# Altium PCB SVEC.pcbdoc (part 1 of 18) (continued)
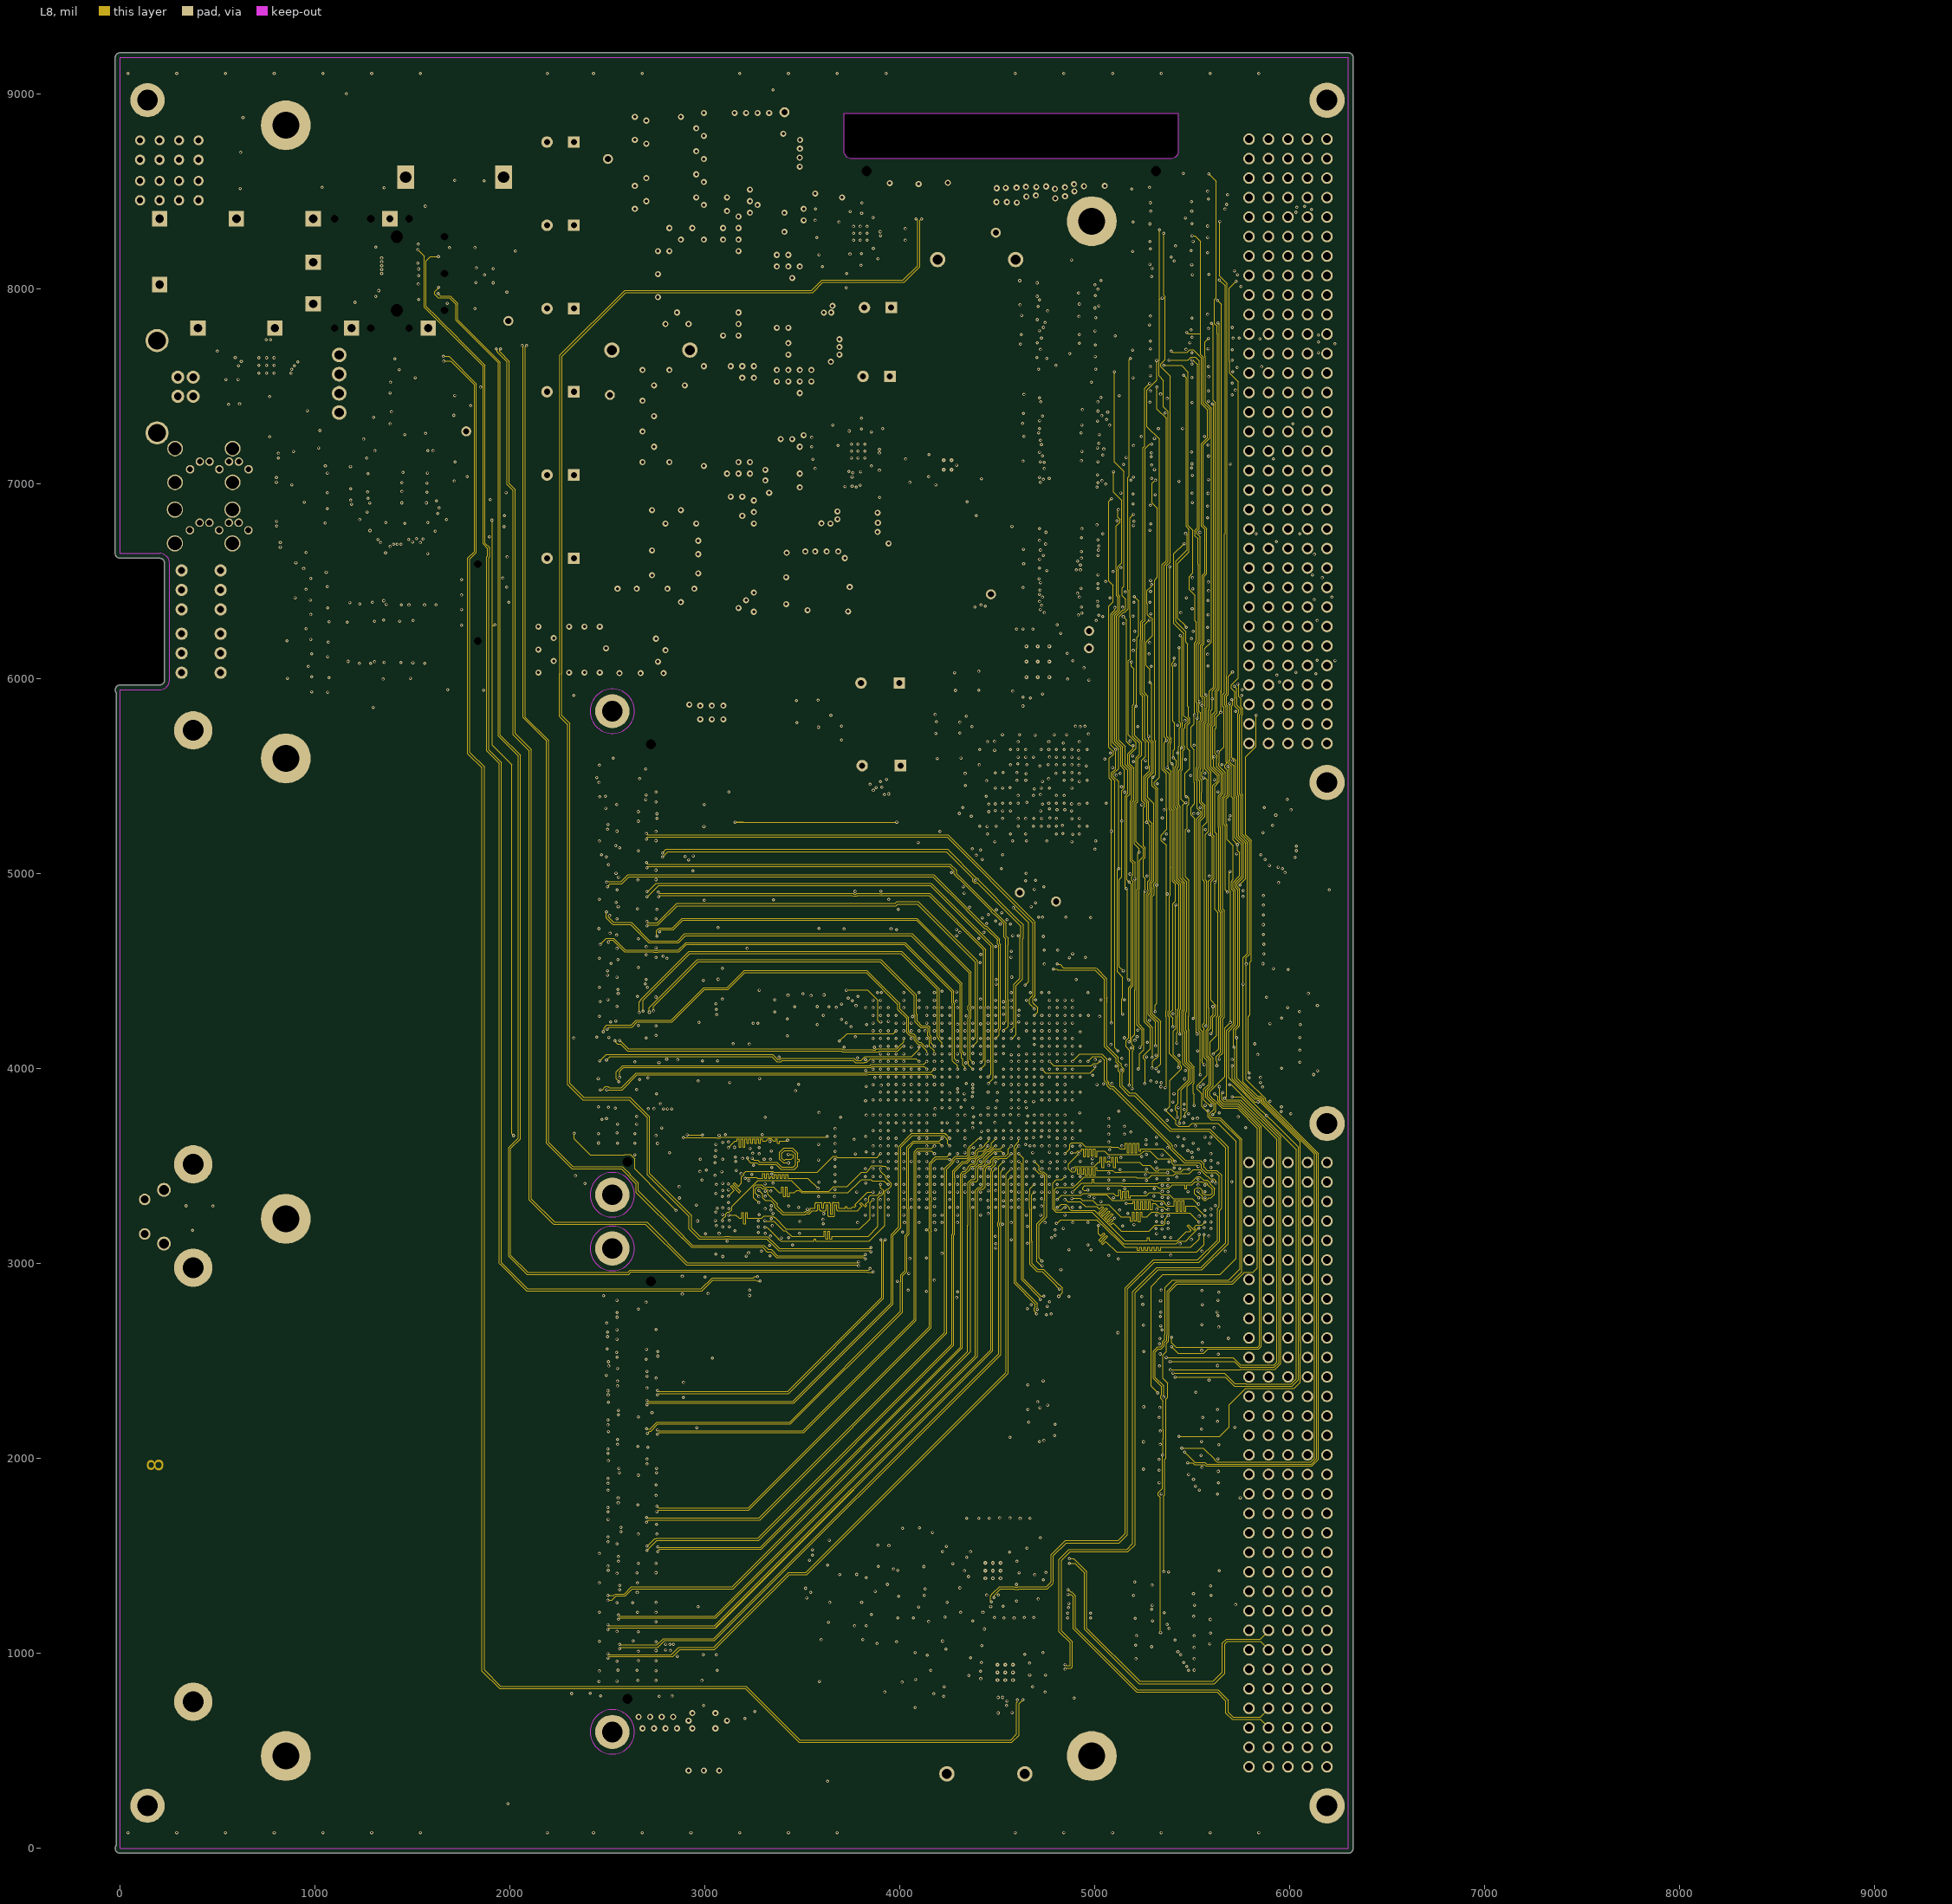
[diagram p8: L8]
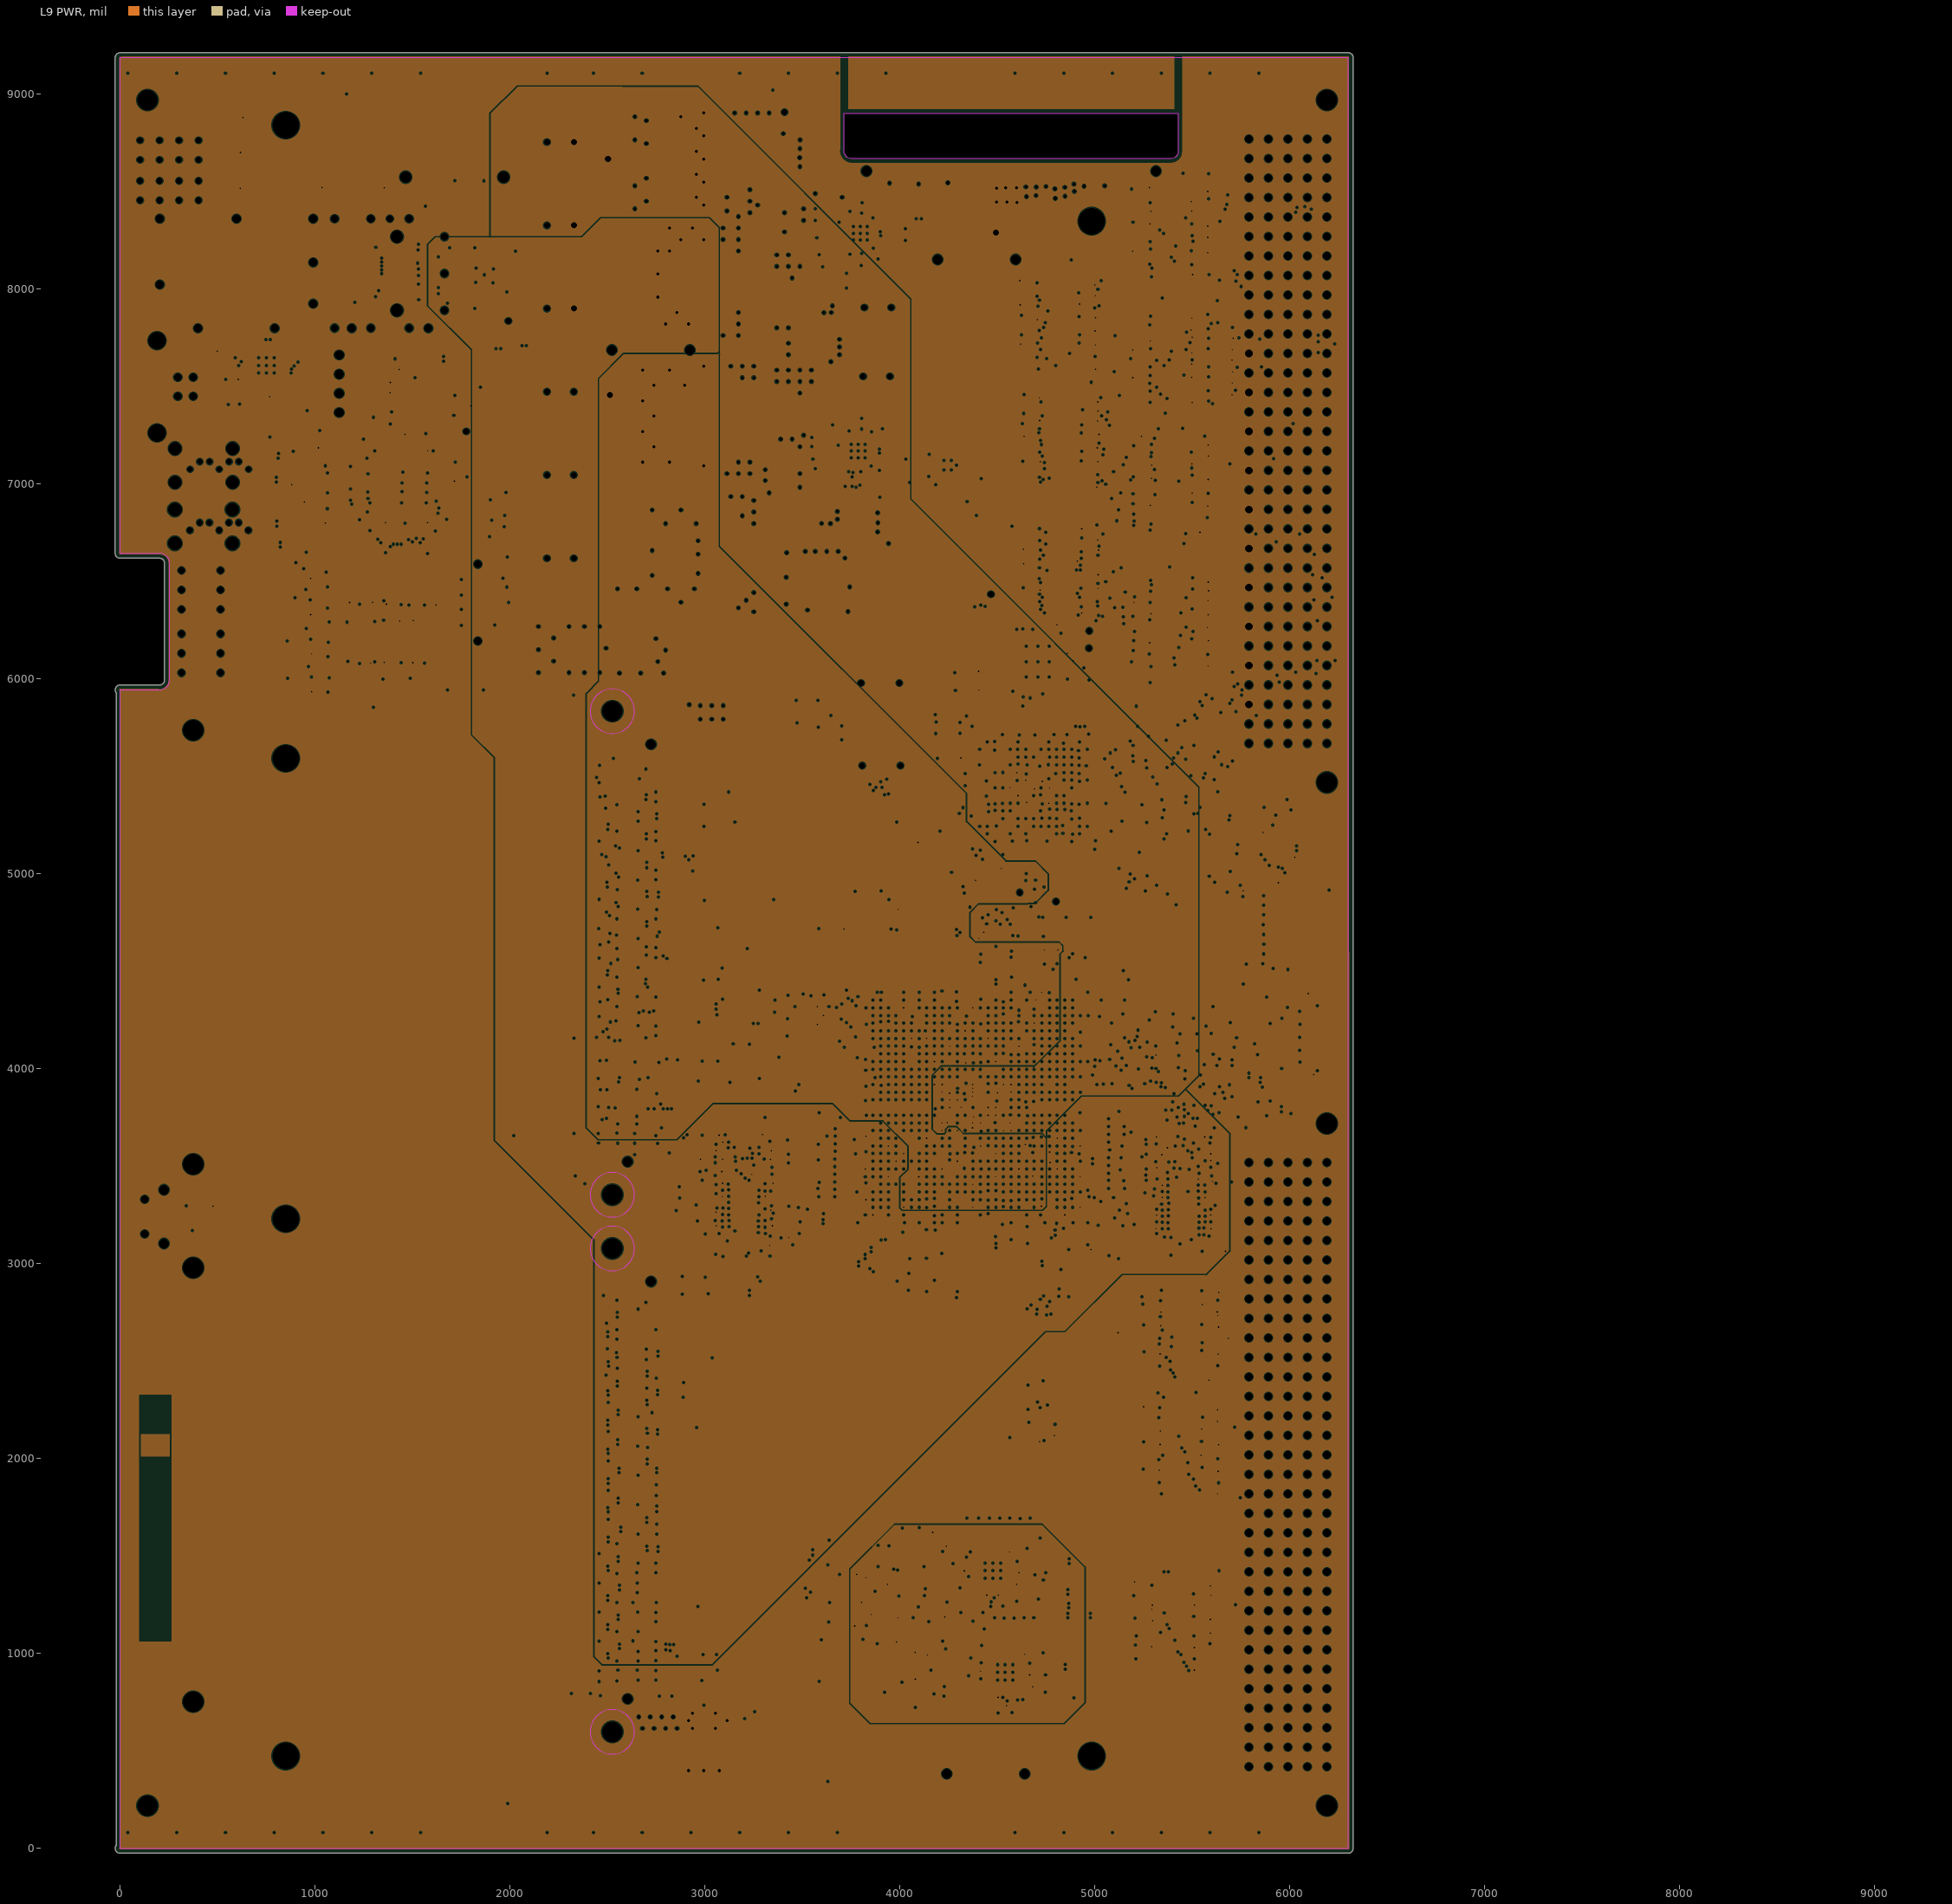
[diagram p9: L9 PWR, clearances drawn from the general rule]

## Layer stack, top to bottom
Top Layer: signal copper 0.7087
Dielectric: core 3.937, FR-4, Dk 4.6
L2 GND: plane copper 0.7087, net GND
Dielectric: prepreg 5.9055, FR-4, Dk 4.8
L3: signal copper 0.7087
Dielectric: core 5.9055, FR-4, Dk 4.8
L4 PWR3.3: plane copper 0.7087, net (Multiple Nets)
Dielectric: prepreg 3.937, FR-4, Dk 4.8
L5: signal copper 0.7087
Dielectric: core 11.811, FR-4, Dk 4.8
L6: signal copper 0.7087
Dielectric: prepreg 3.937, FR-4, Dk 4.8
L7 GND: plane copper 0.7087, net GND
Dielectric: core 5.9055, FR-4, Dk 4.8
L8: signal copper 0.7087
Dielectric: prepreg 5.9055, FR-4, Dk 4.8
L9 PWR: plane copper 0.7087, net (Multiple Nets)
Dielectric: core 3.937, FR-4, Dk 4.8
Bottom Layer: signal copper 0.7087

## Board outline
0,-25.02 cw(c0,0) -19.7,15.42 -19.7,5928.09 cw(c0,5943.51) 0,5968.52 203.05,5968.52 ccw(c203.05,5993.51) 228.04,5993.51 228.04,6593.51 ccw(c203.05,6593.51) 203.05,6618.49 0,6618.49 cw(c0,6643.51) -25.01,6643.51 -25.01,9187.01 cw(c0,9187.01) 0,9212.03 6299.22,9212.03 cw(c6299.22,9187.01) 6324.23,9187.01 6324.23,0 cw(c6299.22,0) 6299.22,-25.02

## Design rules (kind name [scope] priority, off if disabled: settings)
AcuteAngle [All] p1: minimum=6.00000000000000E+0001 checktracksonly=FALSE
Clearance "Clearance_poly gnd" [InNet('GND') and InPolygon] p1: gap=10
Clearance Clearance_poly [InPolygon] p2: gap=6
Clearance Clearance_nonplated [not PadIsPlated and OnLayer('Multi-Layer')] p3: gap=8
Clearance Clearance_GND [All vs InNamedPolygon('Top-GND') or  InNamedPolygon('Bot-GND') or InPolygonClass('8mil')] p4: gap=8
Clearance [All] p5: gap=4
ComponentClearance ComponentClearance_Superposer [All vs InComponentClass('Components Superposer')] p1 off: gap=0 collisioncheckmode=3 verticalgap=0 showdistances=FALSE
ComponentClearance [All] p2 off: gap=0 collisioncheckmode=3 verticalgap=10 showdistances=FALSE
DiffPairsRouting [(InDifferentialPairClass('All Differential Pairs'))] p1: maxlimit=20 minlimit=5 mostfreqgap=6 toplayer_mingap=7 toplayer_prefgap=8 bottomlayer_mingap=7 bottomlayer_prefgap=8 maxuncoupledlength=500
FabricationTestPointUsage TestPointUsage [All] p1: valid=0 allowmultiple=FALSE
FabricationTestpoint Testpoint [All] p1: side=3 testpointundercomponent=TRUE minsize=40 maxsize=100 preferedsize=60 minholesize=0 maxholesize=40 preferedholesize=32.01 testpointgrid=0.98 allowsidetop=TRUE allowsidebottom=TRUE usegrid=TRUE gridtolerance=0.01
FanoutControl Fanout_SRAM [All] p1: bgadir=Out bgaviamode=Centered fanoutstyle=Auto fanoutdirection=Alternating viagrid=1
FanoutControl Fanout_BGA [IsBGA] p2: bgadir=Out bgaviamode=Centered fanoutstyle=Auto fanoutdirection=Alternating viagrid=1 // Fanout_BGA (Default Rule)
FanoutControl Fanout_LCC [IsLCC] p3: bgadir=Out bgaviamode=Centered fanoutstyle=Auto fanoutdirection=Alternating viagrid=1 // Fanout_LCC (Default Rule)
FanoutControl Fanout_SOIC [IsSOIC] p4: bgadir=Out bgaviamode=Centered fanoutstyle=Auto fanoutdirection=Alternating viagrid=1 // Fanout_SOIC (Default Rule)
FanoutControl Fanout_Small [(CompPinCount < 5)] p5: bgadir=Out bgaviamode=Centered fanoutstyle=Auto fanoutdirection=OutThenIn viagrid=1 // Fanout_Small (Default Rule)
FanoutControl Fanout_Default [All] p6: bgadir=Out bgaviamode=Centered fanoutstyle=Auto fanoutdirection=Alternating viagrid=1 // Fanout_Default (Default Rule)
HoleSize [All] p1: absolutevalues=TRUE maxlimit=196.85 minlimit=7.87 maxpercent=80.000 minpercent=20.000
Length Length_DDR1 [InNetClass('DDR_D')] p1: maxlimit=1150 minlimit=1050
Length Length_DDR2 [InNetClass('DDR_D2')] p2: maxlimit=1175 minlimit=1125
MinimumSolderMaskSliver [All] p1: minsoldermaskwidth=1
PermittedLayers [All] p1: toplayerpermitted=TRUE bottomlayerpermitted=TRUE
PlaneClearance [All] p1: clearance=5
PlaneConnect PlaneConnect_Via [IsVia] p1: planeconnectstyle=Direct reliefexpansion=20 reliefentries=4 reliefconductorwidth=10 reliefairgap=10
PlaneConnect [All] p2: planeconnectstyle=Relief reliefexpansion=5 reliefentries=4 reliefconductorwidth=7 reliefairgap=5
PolygonConnect "Vias Direct Connect" [IsVia] p1: connectstyle=Direct reliefconductorwidth=10 reliefentries=4 polygonreliefangle="90 Angle"
PolygonConnect [All] p2: connectstyle=Relief reliefconductorwidth=7 reliefentries=4 polygonreliefangle="90 Angle"
RoomDefinition U_VME_buffers_data [InComponentClass('U_VME_buffers_data')] p1: confinementstyle=ConfineIn formatcopy=TRUE lockcomponents=FALSE outline -3009.45,-3006.49 -1009.45,-3006.49 -1009.45,-2006.49 -3009.45,-2006.49
RoomDefinition U_VME_buffers_address [InComponentClass('U_VME_buffers_address')] p2: confinementstyle=ConfineIn formatcopy=TRUE lockcomponents=FALSE outline -3009.45,-3006.49 -1009.45,-3006.49 -1009.45,-2006.49 -3009.45,-2006.49
RoomDefinition U_VME_connectors [InComponentClass('U_VME_connectors')] p3 off: confinementstyle=ConfineIn formatcopy=TRUE lockcomponents=FALSE outline -3009.45,-3006.49 -1009.45,-3006.49 -1009.45,-2006.49 -3009.45,-2006.49
RoomDefinition U_VME_buffers [InComponentClass('U_VME_buffers')] p4 off: confinementstyle=ConfineIn formatcopy=TRUE lockcomponents=FALSE outline -3009.45,-3006.49 -1009.45,-3006.49 -1009.45,-2006.49 -3009.45,-2006.49
RoomDefinition U_AFPGA_FMC2_bank2 [InComponentClass('U_AFPGA_FMC2_bank2')] p5 off: confinementstyle=ConfineIn formatcopy=TRUE lockcomponents=FALSE outline -3009.45,-3006.49 -1009.45,-3006.49 -1009.45,-2006.49 -3009.45,-2006.49
RoomDefinition U_AFPGA_FMC1_bank0 [InComponentClass('U_AFPGA_FMC1_bank0')] p6 off: confinementstyle=ConfineIn formatcopy=TRUE lockcomponents=FALSE outline -3009.45,-3006.49 -1009.45,-3006.49 -1009.45,-2006.49 -3009.45,-2006.49
RoomDefinition SVEC_TOP [InComponentClass('SVEC_TOP')] p7 off: confinementstyle=ConfineIn formatcopy=TRUE lockcomponents=FALSE outline -3009.45,-3006.49 -1009.45,-3006.49 -1009.45,-2006.49 -3009.45,-2006.49
RoomDefinition "U_JTAG Chain + SFPGA Flash" [InComponentClass('U_JTAG Chain + SFPGA Flash')] p8 off: confinementstyle=ConfineIn formatcopy=TRUE lockcomponents=FALSE outline -3009.45,-3006.49 -1009.45,-3006.49 -1009.45,-2006.49 -3009.45,-2006.49
RoomDefinition U_FrontPanel [InComponentClass('U_FrontPanel')] p9 off: confinementstyle=ConfineIn formatcopy=TRUE lockcomponents=FALSE outline 2051.55,5836.51 2051.55,8899.51 -265.45,8899.51 -265.45,5836.51
RoomDefinition U_USB [InComponentClass('U_USB')] p10 off: confinementstyle=ConfineIn formatcopy=TRUE lockcomponents=FALSE outline 440.56,7639.83 440.56,6627.83 1978.56,6627.83 1978.56,7639.83
RoomDefinition U_SFPGA_power [InComponentClass('U_SFPGA_power')] p11 off: confinementstyle=ConfineIn formatcopy=TRUE lockcomponents=FALSE outline 3740.55,4464.51 5960.55,4464.51 5960.55,6014.51 3740.55,6014.51
RoomDefinition U_SFPGA [InComponentClass('U_SFPGA')] p12 off: confinementstyle=ConfineIn formatcopy=TRUE lockcomponents=FALSE outline 6135.55,4556.51 3592.55,4556.51 3592.55,6345.51 6135.55,6345.51
RoomDefinition U_PowerSupplies [InComponentClass('U_PowerSupplies')] p13 off: confinementstyle=ConfineIn formatcopy=TRUE lockcomponents=FALSE outline 1737.55,7070.51 4428.55,7070.51 4428.55,9140.51 1737.55,9140.51
RoomDefinition U_fpga_gtp [InComponentClass('U_fpga_gtp')] p14 off: confinementstyle=ConfineIn formatcopy=TRUE lockcomponents=FALSE outline 3891.55,4764.51 4767.55,4764.51 4767.55,2859.51 3891.55,2859.51
RoomDefinition U_FmcConnectors [InComponentClass('U_FmcConnectors')] p15 off: confinementstyle=ConfineIn formatcopy=TRUE lockcomponents=FALSE outline 1950.55,463.51 3185.55,463.51 3185.55,5968.51 1950.55,5968.51
RoomDefinition U_DDR3_2 [InComponentClass('U_DDR3_2')] p16 off: confinementstyle=ConfineIn formatcopy=TRUE lockcomponents=FALSE outline 2826.55,2920.51 3750.55,2920.51 3750.55,3935.51 2826.55,3935.51
RoomDefinition U_DDR3_1 [InComponentClass('U_DDR3_1')] p17 off: confinementstyle=ConfineIn formatcopy=TRUE lockcomponents=FALSE outline 5691.55,2989.51 5834.55,2989.51 5834.55,3804.51 5691.55,3804.51
RoomDefinition U_ClkGeneration [InComponentClass('U_ClkGeneration')] p18 off: confinementstyle=ConfineIn formatcopy=TRUE lockcomponents=FALSE outline 3353.55,1199 4738.55,1199 4738.55,2440 3353.55,2440
RoomDefinition U_AFPGA_power [InComponentClass('U_AFPGA_power')] p19 off: confinementstyle=ConfineIn formatcopy=TRUE lockcomponents=FALSE outline 3414.55,2626.51 5363.55,2626.51 5363.55,4846.51 3414.55,4846.51
RoomDefinition U_AFPGA [InComponentClass('U_AFPGA')] p20 off: confinementstyle=ConfineIn formatcopy=TRUE lockcomponents=FALSE outline 3341.55,2811.51 6283.55,2811.51 6283.55,4677.51 3341.55,4677.51
RoutingVias [All] p1: holewidth=7.87 width=15.75 viastyle="Through Hole" minholewidth=7.87 minwidth=15.75 maxholewidth=39.37 maxwidth=78.74
SilkToSilkClearance [All] p1: silktosilkclearance=0
SilkscreenOverComponentPads [All] p1: minsilkscreentomaskgap=2
SolderMaskExpansion [All] p1: expansion=0
ViasUnderSMD ViasUnderSMD_1 [InComponent('IC6') or InComponent('IC12')   or InComponent('IC14')  or InComponent('IC9')  or InComponent('IC2')    or InComponent('IC18')     or InComponent('IC17')] p1: allowed=TRUE
ViasUnderSMD [All] p2: allowed=FALSE
Width Width_DiffPairs [(InDifferentialPairClass('All Differential Pairs'))] p1: maxlimit=6 minlimit=4 preferedwidth=4 toplayer_minwidth=6 toplayer_prefwidth=6 midlayer1_maxwidth=4 midlayer2_maxwidth=4 midlayer4_maxwidth=4 midlayer5_maxwidth=4 bottomlayer_minwidth=6 bottomlayer_prefwidth=6 minimp=50.000000 maximp=50.000000 favimp=50.000000
Width [All] p2: maxlimit=78.74 minlimit=4 preferedwidth=5 midlayer1_maxwidth=20 midlayer2_maxwidth=8.07 midlayer4_maxwidth=8 midlayer5_maxwidth=8 minimp=50.000000 maximp=50.000000 favimp=50.000000
13 further rules are at their usual default settings.

## Classes and differential pairs
net class VMEPX_GA[4..0]: VMEPX_GA0 VMEPX_GA1 VMEPX_GA2 VMEPX_GA3 VMEPX_GA4
net class VMEPX_D[31..0]: VMEPX_D0 VMEPX_D1 VMEPX_D2 VMEPX_D3 VMEPX_D4 VMEPX_D5 VMEPX_D6 VMEPX_D7 VMEPX_D8 VMEPX_D9 VMEPX_D10 VMEPX_D11 VMEPX_D12 VMEPX_D13 VMEPX_D14 VMEPX_D15 VMEPX_D16 VMEPX_D17 VMEPX_D18 VMEPX_D19 VMEPX_D20 VMEPX_D21 VMEPX_D22 VMEPX_D23 VMEPX_D24 VMEPX_D25 VMEPX_D26 VMEPX_D27 VMEPX_D28 VMEPX_D29 VMEPX_D30 VMEPX_D31
net class VMEPX_BR[3..0]: VMEPX_BR0 VMEPX_BR1 VMEPX_BR2 VMEPX_BR3
net class VMEPX_AM[5..0]: VMEPX_AM0 VMEPX_AM1 VMEPX_AM2 VMEPX_AM3 VMEPX_AM4 VMEPX_AM5
net class VMEPX_A[31..1]: VMEPX_A1 VMEPX_A2 VMEPX_A3 VMEPX_A4 VMEPX_A5 VMEPX_A6 VMEPX_A7 VMEPX_A8 VMEPX_A9 VMEPX_A10 VMEPX_A11 VMEPX_A12 VMEPX_A13 VMEPX_A14 VMEPX_A15 VMEPX_A16 VMEPX_A17 VMEPX_A18 VMEPX_A19 VMEPX_A20 VMEPX_A21 VMEPX_A22 VMEPX_A23 VMEPX_A24 VMEPX_A25 VMEPX_A26 VMEPX_A27 VMEPX_A28 VMEPX_A29 VMEPX_A30 VMEPX_A31
component class U_VME_buffers: C125 C127 C132 C153 C154 C164 C184 C185 C226 C227 C240 C244 C245 C246 C247 C248 C249 C250 C251 C252 C253 C254 C257 C264 C287 C292 C293 C294 C295 C296 C318 C319 C326 C327 C328 C329 C331 C332 C335 C336 C337 C338 C436 C437 C447 C457 C464 C465 C500 C501 C506 C507 C512 C513 C516 C517 C519 C520 C521 C522 IC5 IC15 IC21 IC22 IC25 IC26 IC27 IC33 IC35 IC42 R157 R158 R166 R174 R175 R176 R177 R179 R185 R190 R191 R203 R209 R210 R211 R213 R216 R217 R223 R228 R230 R316
component class U_USB: C351 C352 C353 C354 C355 C357 C359 C360 C361 C362 C363 C364 C365 C366 C367 C368 IC17 IC32 IC36 IC37 J5 J8 L7 L10 Q1 R121 R154 R224 R225 R226 R227 R231 R232 R234 R236 R237 R258 R262 R263 R275 R279 R315
component class U_SFPGA_power: C207 C208 C216 C231 C232 C233 C234 C289 C290 C302 C303 C304 C305 C311 C312 C313 C317 C323 C325 C330 C333 C334 C339 C340 C341 C342 C343 C344 C345 C346
component class U_SFPGA: IC40 LD12 LD18 R131 R132 R133 R136 R144 R149 R151 R159 R160 R161 R172 R173 SW1
component class U_PowerSupplies: B1 B2 B5 B6 B8 B9 B10 C5 C31 C33 C35 C38 C39 C43 C44 C45 C46 C47 C49 C60 C61 C62 C66 C67 C68 C71 C72 C77 C78 C79 C90 C91 C93 C100 C101 C102 C116 C117 C118 C119 C128 C135 C136 C137 C138 C139 C148 C163 C167 C169 C173 C175 C176 C179 C180 C181 C182 C183 C195 C209 C210 C211 C212 C218 C224 C225 C241 C298 C299 C300 C309 C310 C316 C321 C322 C412 C435 D1 F1 F3 F4 IC2 IC8 IC9 IC18 IC23 IC24 L3 L4 L12 L13 L14 LD15 LD19 R11 R12 R22 R26 R60 R112 R120 R125 R128 R129 R130 R134 R146 R147 R150 R153 R155 R156 R167 R168 R169 R170 R171 R178 R183 R184 R186 R187 R189 R193 R194 T3 T4 T7 T9 T11 T12
component class "U_JTAG Chain + SFPGA Flash": B3 B4 B7 B11 C166 C324 IC14 IC31 J10 LD7 LD17 R93 R118 R119 R123 R124 R145 R192 R199 R200 R202 R218 R219 R220 R221 R222 R229 R238 R241 R243 R246 R247 R248 R259 R260 R274 R286 R319 R320 R321 T8 T10
component class U_FrontPanel: C13 C186 C202 C214 C219 C220 C228 C279 C297 C306 C307 C314 C315 C320 CageBot2 CageTop2 D2 D3 D4 D5 F2 F5 F6 F7 FTG1 FTG2 FTG3 FTG4 FTG5 FTG6 IC16 IC20 J4 J6 J7 L5 L11 LD24 LD25 PB1 R28 R31 R37 R82 R83 R86 R89 R92 R95 R96 R98 R99 R100 R101 R102 R103 R104 R105 R106 R107 R108 R109 R111 R113 R114 R115 R116 R117 R164 R165 R195 R196 R197 R198 R201 R204 R205 R206 R208 R244 R255 R256 R257 R400 R401 R402 R403 R404 SW3 SW5 SW6 T1 T2 T5 T6 TP1 TP2 TP3 TP4 TP5 TP6
component class U_fpga_gtp: C53 C57 C58 C59 C64 C92 C150 C157 C162 C165 C258 C259 C260 C261 C262 C265 C266 C267 C268 C269 C270 C271 C272 C273 C274 C275 C276 C277 C278 C281 C282 C283 C284 C285 C286 C288 C348 C349 C350 C356 C358 C376 J1 J9 J11 J16 L8 L9 R235 R242
component class U_FmcConnectors: B12 B13 B14 B15 C56 C63 C65 C69 C70 C73 C76 C82 C83 C84 C85 C86 C87 C239 C255 C256 C263 C280 C291 C301 C308 C431 J2 J3 R29 R30 R51 R84 R233 R276 R277
component class U_DDR3_2: C242 C243 C383 C384 C385 C388 C389 C391 C393 C394 C395 C396 C397 C398 C399 C400 C401 C402 C403 C404 C405 C406 IC28 R127 R180 R181 R182 R261 R264 R265 R266 R267 R268 R269 R270 R271 R272 R273 R278 R280 R281 R282 R283 R284 R285 R287 R288 R289 R290 R291 R292 R293 R294 R295 R296 R297 R298 R299 R300 R301 R302 R303 R304 R305 R306 R307 R308 R309 R310 R311 R312 R313 R314
component class U_DDR3_1: C20 C94 C95 C96 C97 C98 C99 C103 C104 C105 C106 C107 C108 C109 C110 C111 C112 C113 C114 C115 C152 C206 C235 IC4 R39 R40 R41 R42 R43 R44 R45 R46 R47 R48 R49 R50 R52 R53 R54 R55 R56 R57 R58 R59 R61 R62 R63 R64 R65 R66 R67 R68 R69 R70 R71 R72 R73 R74 R75 R76 R77 R78 R79 R80 R81 R85 R87 R88 R90 R91 R94 R110 R141 R188
component class U_ClkGeneration: C2 C3 C4 C6 C7 C10 C11 C12 C15 C16 C17 C19 C21 C22 C23 C26 C27 C29 C34 C36 C37 C40 C41 C42 C48 C50 C51 C52 C54 C55 C74 C75 C80 C81 C88 C89 C200 C213 C237 C238 C386 C392 C407 C408 C453 C468 IC1 IC3 IC6 IC7 IC10 IC11 IC12 J12 J13 J14 J15 L1 L2 L6 L21 OSC1 OSC2 OSC3 OSC5 R1 R4 R5 R6 R8 R9 R10 R15 R16 R18 R19 R20 R23 R24 R25 R27 R36 R122 R135 R138 R140 R152 R245 R249 R250 R251 R252 R253 R254
component class U_AFPGA_power: BAT1 BATH1 C1 C8 C9 C14 C24 C25 C28 C30 C32 C120 C121 C122 C123 C124 C126 C129 C130 C131 C133 C134 C140 C141 C142 C143 C144 C145 C146 C147 C149 C151 C155 C156 C158 C159 C160 C161 C168 C170 C171 C172 C174 C177 C178 C187 C188 C189 C190 C191 C192 C193 C194 C196 C197 C198 C199 C201 C203 C204 C205 C215 C217 C221 C222 C223 C229 C230 C347 C374 C375 C377 C379 C380 C381 C382 R13 R97 R239 R?
component class U_AFPGA: IC13 LD5 LD8 LD9 LD10 R2 R3 R7 R34 R126 R137 R207 R212 R214 R215 R240
differential pair class "FMC1 Diff_Pairs": FMC1_LA0 FMC1_LA1 FMC1_LA2 FMC1_LA3 FMC1_LA4 FMC1_LA5 FMC1_LA6 FMC1_LA7 FMC1_LA8 FMC1_LA9 FMC1_LA10 FMC1_LA11 FMC1_LA12 FMC1_LA13 FMC1_LA14 FMC1_LA15 FMC1_LA16 FMC1_LA17 FMC1_LA18 FMC1_LA19 FMC1_LA20 FMC1_LA21 FMC1_LA22 FMC1_LA23 FMC1_LA24 FMC1_LA25 FMC1_LA26 FMC1_LA27 FMC1_LA28 FMC1_LA29 FMC1_LA30 FMC1_LA31 FMC1_LA32 FMC1_LA33
differential pair class "FMC2 Diff_Pair": FMC2_LA0 FMC2_LA1 FMC2_LA2 FMC2_LA3 FMC2_LA4 FMC2_LA5 FMC2_LA6 FMC2_LA7 FMC2_LA8 FMC2_LA9 FMC2_LA10 FMC2_LA11 FMC2_LA12 FMC2_LA13 FMC2_LA14 FMC2_LA15 FMC2_LA16 FMC2_LA17 FMC2_LA18 FMC2_LA19 FMC2_LA20 FMC2_LA21 FMC2_LA22 FMC2_LA23 FMC2_LA24 FMC2_LA25 FMC2_LA26 FMC2_LA27 FMC2_LA28 FMC2_LA29
net class DDR_A[14..0]: DDR_A0 DDR_A1 DDR_A2 DDR_A3 DDR_A4 DDR_A5 DDR_A6 DDR_A7 DDR_A8 DDR_A9 DDR_A10 DDR_A11 DDR_A12 DDR_A13 DDR_A14
net class DDR_BA[2..0]: DDR_BA0 DDR_BA1 DDR_BA2
net class DDR_DQ[15..0]: DDR_DQ0 DDR_DQ1 DDR_DQ2 DDR_DQ3 DDR_DQ4 DDR_DQ5 DDR_DQ6 DDR_DQ7 DDR_DQ8 DDR_DQ9 DDR_DQ10 DDR_DQ11 DDR_DQ12 DDR_DQ13 DDR_DQ14 DDR_DQ15
net class P2_DATA_N[19..0]: P2_DATA_N0 P2_DATA_N1 P2_DATA_N2 P2_DATA_N3 P2_DATA_N4 P2_DATA_N5 P2_DATA_N6 P2_DATA_N7 P2_DATA_N8 P2_DATA_N9 P2_DATA_N10 P2_DATA_N11 P2_DATA_N12 P2_DATA_N13 P2_DATA_N14 P2_DATA_N15 P2_DATA_N16 P2_DATA_N17 P2_DATA_N18 P2_DATA_N19
net class P2_DATA_P[19..0]: P2_DATA_P0 P2_DATA_P1 P2_DATA_P2 P2_DATA_P3 P2_DATA_P4 P2_DATA_P5 P2_DATA_P6 P2_DATA_P7 P2_DATA_P8 P2_DATA_P9 P2_DATA_P10 P2_DATA_P11 P2_DATA_P12 P2_DATA_P13 P2_DATA_P14 P2_DATA_P15 P2_DATA_P16 P2_DATA_P17 P2_DATA_P18 P2_DATA_P19
net class VME_A[31..1]: VME_A1 VME_A2 VME_A3 VME_A4 VME_A5 VME_A6 VME_A7 VME_A8 VME_A9 VME_A10 VME_A11 VME_A12 VME_A13 VME_A14 VME_A15 VME_A16 VME_A17 VME_A18 VME_A19 VME_A20 VME_A21 VME_A22 VME_A23 VME_A24 VME_A25 VME_A26 VME_A27 VME_A28 VME_A29 VME_A30 VME_A31
net class VME_AM[5..0]: VME_AM0 VME_AM1 VME_AM2 VME_AM3 VME_AM4 VME_AM5
net class VME_D[31..0]: VME_D0 VME_D1 VME_D2 VME_D3 VME_D4 VME_D5 VME_D6 VME_D7 VME_D8 VME_D9 VME_D10 VME_D11 VME_D12 VME_D13 VME_D14 VME_D15 VME_D16 VME_D17 VME_D18 VME_D19 VME_D20 VME_D21 VME_D22 VME_D23 VME_D24 VME_D25 VME_D26 VME_D27 VME_D28 VME_D29 VME_D30 VME_D31
net class VME_GA[4..0]: VME_GA0 VME_GA1 VME_GA2 VME_GA3 VME_GA4
net class VME_IRQ[7..1]: VME_IRQ1 VME_IRQ2 VME_IRQ3 VME_IRQ4 VME_IRQ5 VME_IRQ6 VME_IRQ7